# KiCad board Four segments and colon.kicad_pcb
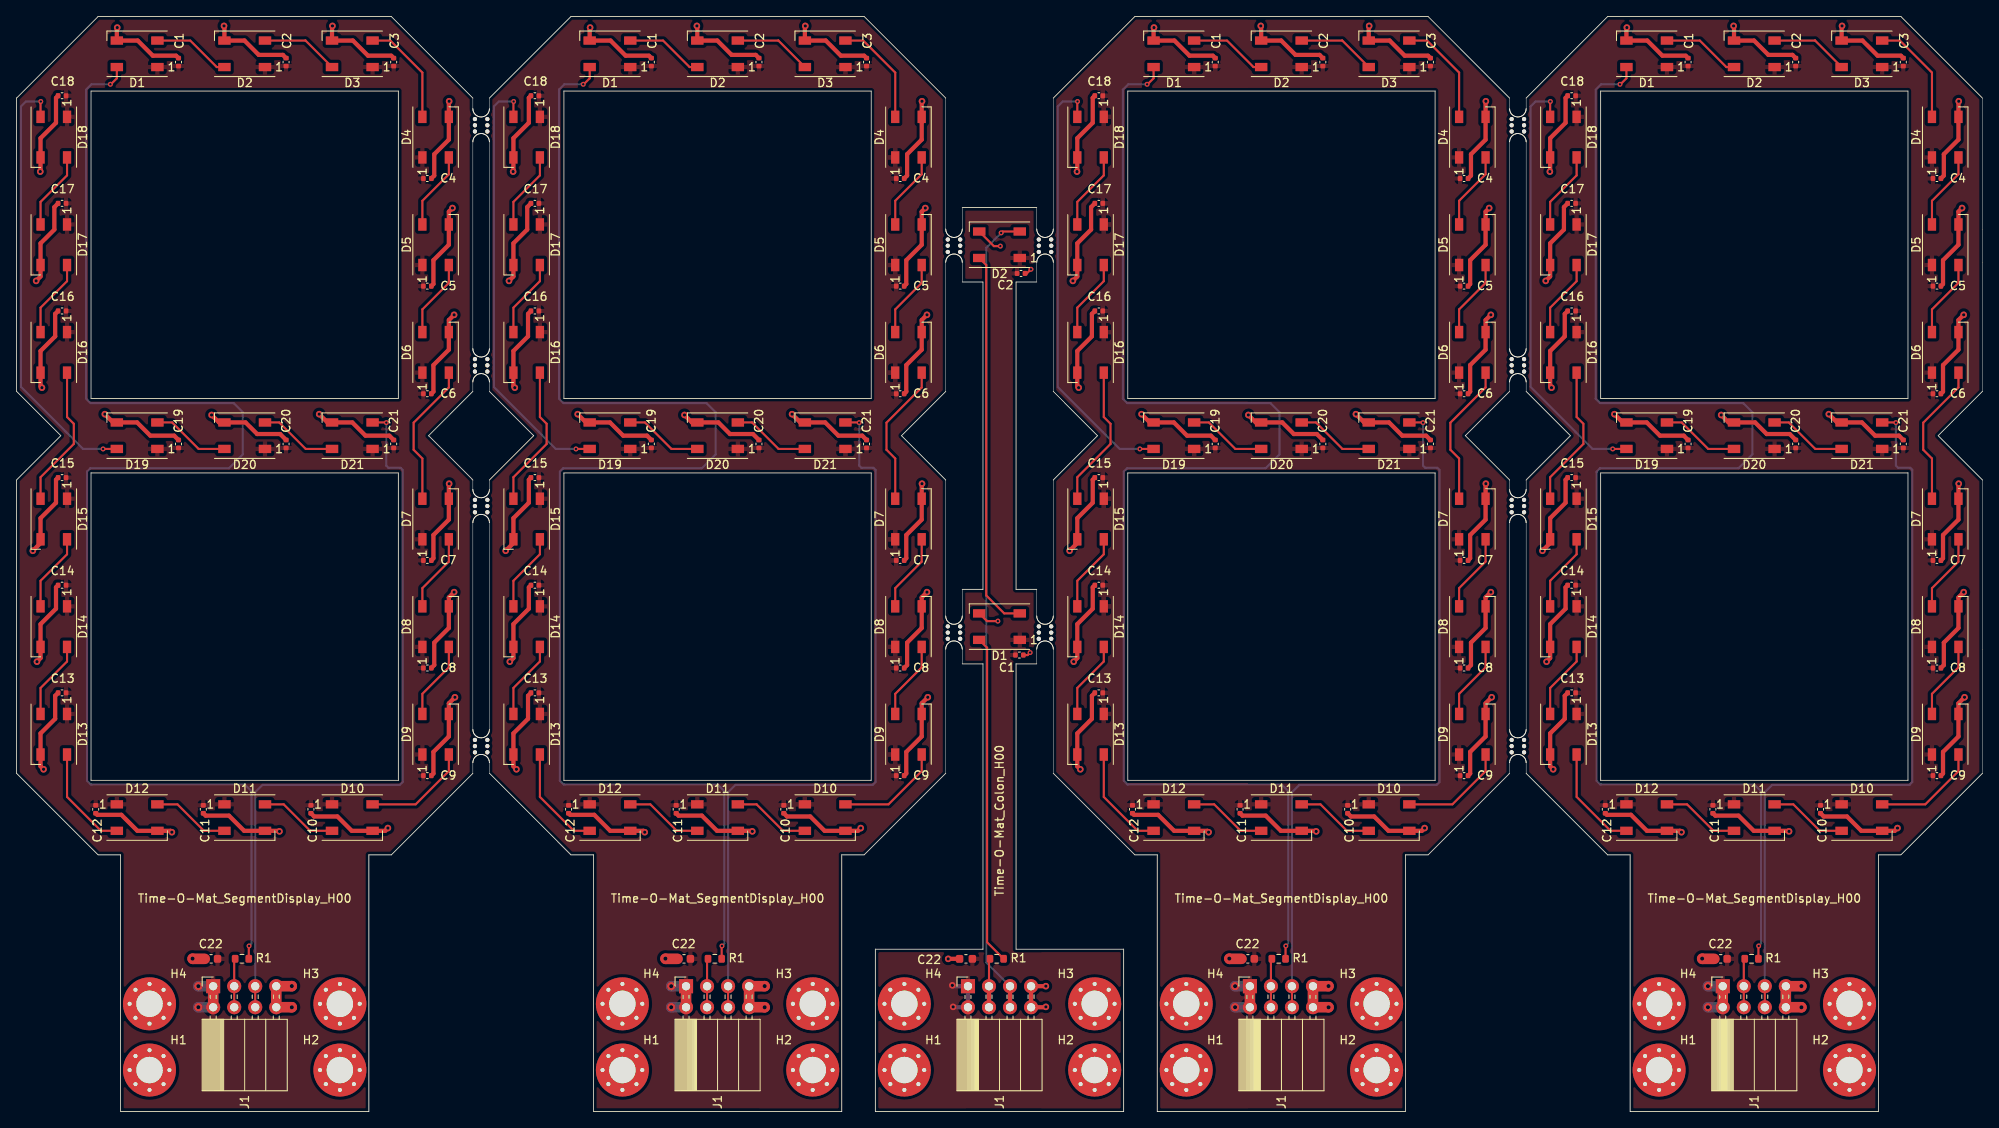
[diagram p0: board, top side]
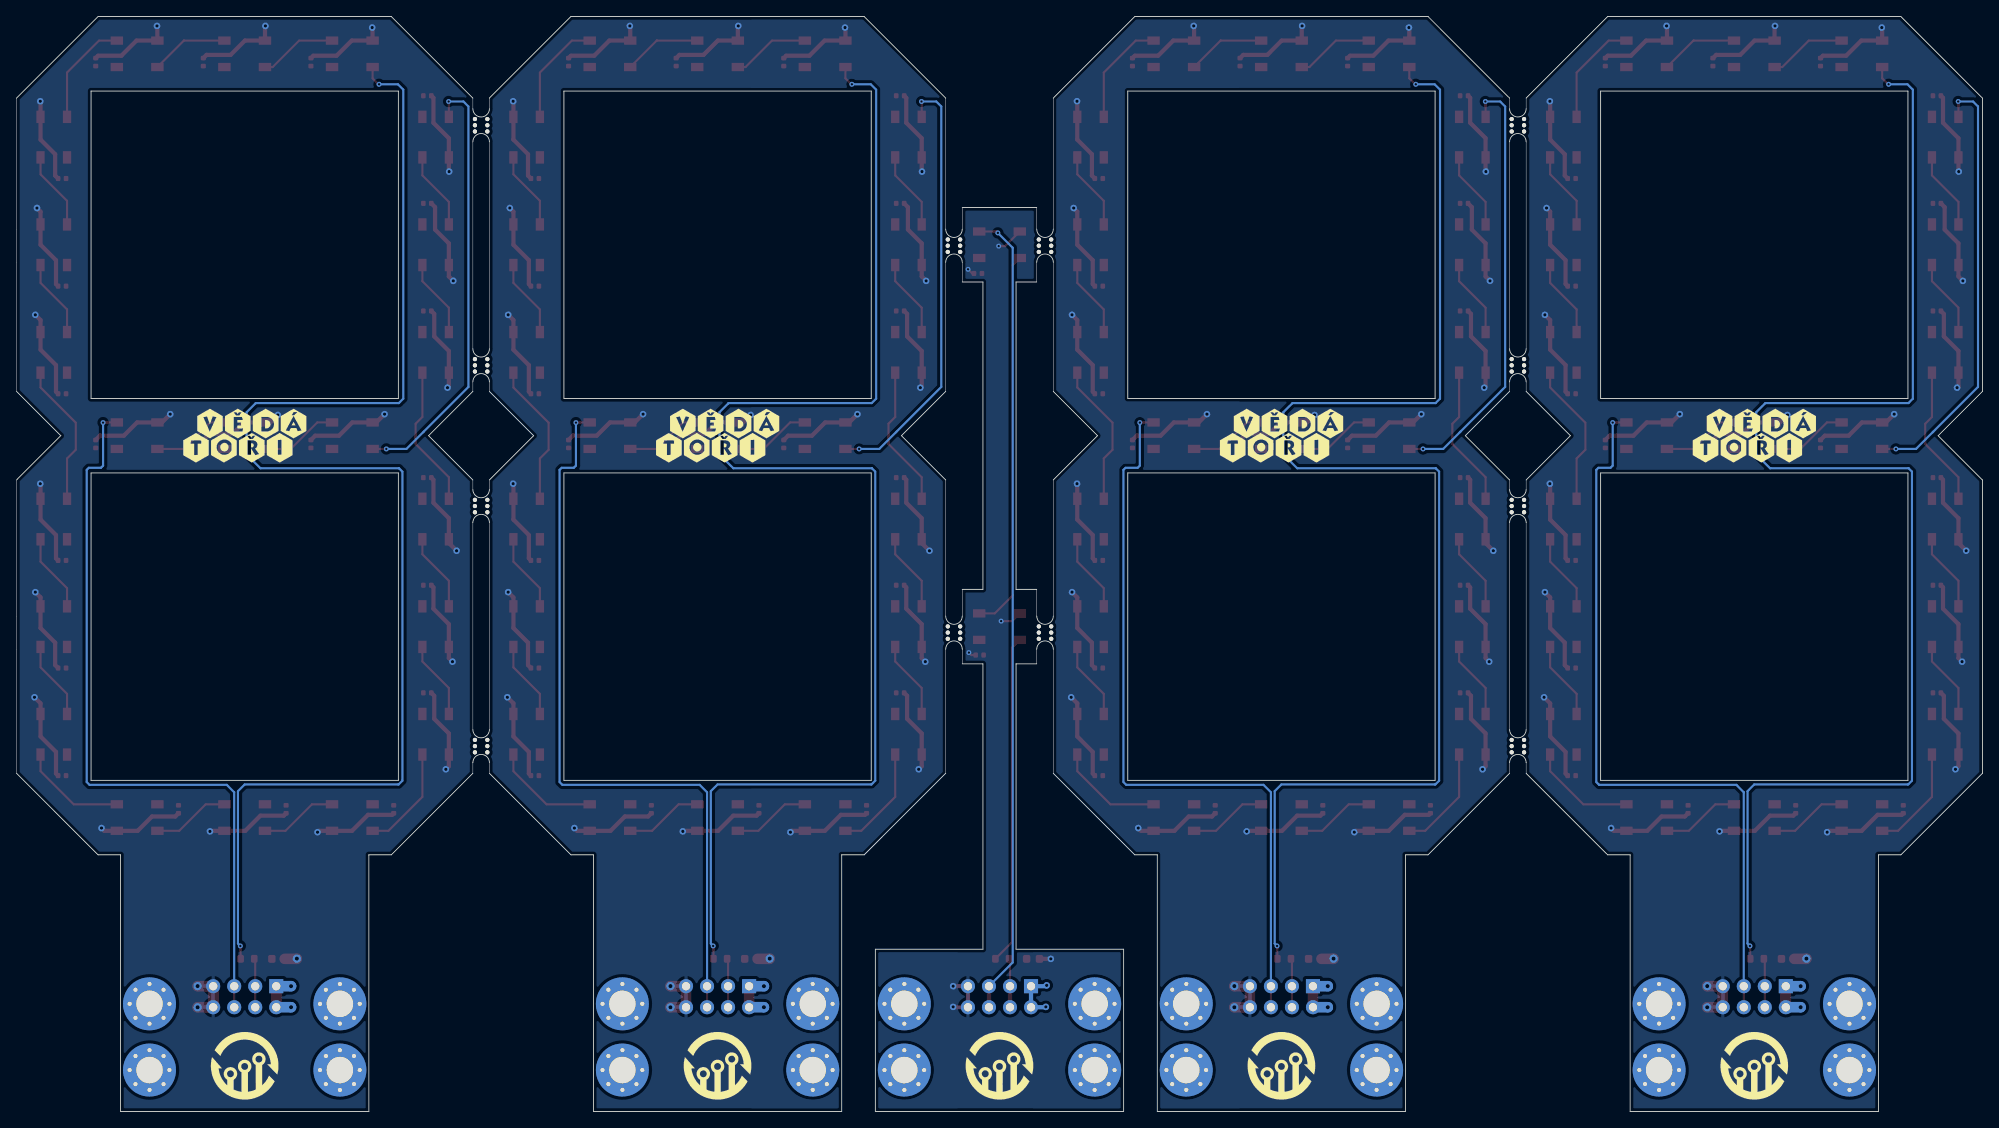
[diagram p1: board, bottom side, seen from below]

Outline 237.52 x 132.26 mm; copper layers: Top, Bottom. Coordinates in mm from the lower left corner of the outline.
Outline path: 55.13,121.13 55.13,122.41 45.28,132.26 9.85,132.26 0,122.41 0,86.98 5.35,81.63 0,76.28 0,40.85 9.85,31 12.57,31 12.57,0 42.57,0 42.57,31 45.28,31 55.13,40.85 55.13,42.13 ; 55.13,75.13 55.13,76.28 49.78,81.63 55.13,86.98 55.13,88.13 ; 55.13,92.13 55.13,117.13 ; 55.13,71.13 55.13,46.13 ; 57.13,121.13 57.13,122.41 66.98,132.26 102.41,132.26 112.26,122.41 112.26,106.58 ; 57.13,117.13 57.13,92.13 ; 57.13,46.13 57.13,71.13 ; 57.13,88.13 57.13,86.98 62.48,81.63 57.13,76.28 57.13,75.13 ; 57.13,42.13 57.13,40.85 66.98,31 69.7,31 69.7,0 99.7,0 99.7,31 102.41,31 112.26,40.85 112.26,55.84 ; 112.26,59.84 112.26,76.28 106.91,81.63 112.26,86.98 112.26,102.58 ; 114.26,55.84 114.26,54.07 116.76,54.07 116.76,19.6 103.76,19.6 103.76,0 133.76,0 133.76,19.6 120.76,19.6 120.76,54.07 123.26,54.07 123.26,55.84 ; 114.26,106.58 114.26,109.2 123.26,109.2 123.26,106.58 ; 114.26,102.58 114.26,100.2 116.76,100.2 116.76,63.07 114.26,63.07 114.26,59.84 ; 123.26,102.58 123.26,100.2 120.76,100.2 120.76,63.07 123.26,63.07 123.26,59.84 ; 125.26,106.58 125.26,122.41 135.11,132.26 170.54,132.26 180.39,122.41 180.39,121.13 ; 125.26,102.58 125.26,86.98 130.61,81.63 125.26,76.28 125.26,59.84 ; 125.26,55.84 125.26,40.85 135.11,31 137.83,31 137.83,0 167.83,0 167.83,31 170.54,31 180.39,40.85 180.39,42.13 ; 180.39,75.13 180.39,76.28 175.04,81.63 180.39,86.98 180.39,88.13 ; 180.39,92.13 180.39,117.13 ; 180.39,71.13 180.39,46.13 ; 182.39,121.13 182.39,122.41 192.24,132.26 227.67,132.26 237.52,122.41 237.52,106.58 237.52,102.58 237.52,86.98 232.17,81.63 237.52,76.28 237.52,59.84 237.52,55.84 237.52,40.85 227.67,31 224.96,31 224.96,0 194.96,0 194.96,31 192.24,31 182.39,40.85 182.39,42.13 ; 182.39,117.13 182.39,92.13 ; 182.39,46.13 182.39,71.13 ; 182.39,88.13 182.39,86.98 187.74,81.63 182.39,76.28 182.39,75.13 ; 9,86.13 9,123.26 46.13,123.26 46.13,86.13 9,86.13 ; 9,77.13 9,40 46.13,40 46.13,77.13 9,77.13 ; 66.13,86.13 66.13,123.26 103.26,123.26 103.26,86.13 66.13,86.13 ; 66.13,77.13 66.13,40 103.26,40 103.26,77.13 66.13,77.13 ; 134.26,86.13 134.26,123.26 171.39,123.26 171.39,86.13 134.26,86.13 ; 134.26,77.13 134.26,40 171.39,40 171.39,77.13 134.26,77.13 ; 191.39,86.13 191.39,123.26 228.52,123.26 228.52,86.13 191.39,86.13 ; 191.39,77.13 191.39,40 228.52,40 228.52,77.13 191.39,77.13
Stack: Top 0.035mm / dielectric 1.51mm FR4 er 4.5 / Bottom 0.035mm

## Placement (name value [footprint] x y rotation side)
C1  100nF  [C_0402_1005Metric]  201.96 126.76 90 top
C1#2  100nF  [C_0402_1005Metric]  121.16 55.13 0 top
C1#3  100nF  [C_0402_1005Metric]  76.7 126.76 90 top
C1#4  100nF  [C_0402_1005Metric]  19.57 126.76 90 top
C1#5  100nF  [C_0402_1005Metric]  144.83 126.76 90 top
C2  100nF  [C_0402_1005Metric]  32.57 126.76 90 top
C2#2  100nF  [C_0402_1005Metric]  214.96 126.76 90 top
C2#3  100nF  [C_0402_1005Metric]  157.83 126.76 90 top
C2#4  100nF  [C_0402_1005Metric]  121.36 101.23 0 top
C2#5  100nF  [C_0402_1005Metric]  89.7 126.76 90 top
C3  100nF  [C_0402_1005Metric]  102.7 126.76 90 top
C3#2  100nF  [C_0402_1005Metric]  170.83 126.76 90 top
C3#3  100nF  [C_0402_1005Metric]  227.96 126.76 90 top
C3#4  100nF  [C_0402_1005Metric]  45.57 126.76 90 top
C4  100nF  [C_0402_1005Metric]  232.02 112.7 0 top
C4#2  100nF  [C_0402_1005Metric]  49.63 112.7 0 top
C4#3  100nF  [C_0402_1005Metric]  174.89 112.7 0 top
C4#4  100nF  [C_0402_1005Metric]  106.76 112.7 0 top
C5  100nF  [C_0402_1005Metric]  232.02 99.7 0 top
C5#2  100nF  [C_0402_1005Metric]  174.89 99.7 0 top
C5#3  100nF  [C_0402_1005Metric]  106.76 99.7 0 top
C5#4  100nF  [C_0402_1005Metric]  49.63 99.7 0 top
C6  100nF  [C_0402_1005Metric]  106.76 86.7 0 top
C6#2  100nF  [C_0402_1005Metric]  49.63 86.7 0 top
C6#3  100nF  [C_0402_1005Metric]  174.89 86.7 0 top
C6#4  100nF  [C_0402_1005Metric]  232.02 86.7 0 top
C7  100nF  [C_0402_1005Metric]  106.76 66.57 0 top
C7#2  100nF  [C_0402_1005Metric]  174.89 66.57 0 top
C7#3  100nF  [C_0402_1005Metric]  49.63 66.57 0 top
C7#4  100nF  [C_0402_1005Metric]  232.02 66.57 0 top
C8  100nF  [C_0402_1005Metric]  49.63 53.57 0 top
C8#2  100nF  [C_0402_1005Metric]  174.89 53.57 0 top
C8#3  100nF  [C_0402_1005Metric]  232.02 53.57 0 top
C8#4  100nF  [C_0402_1005Metric]  106.76 53.57 0 top
C9  100nF  [C_0402_1005Metric]  232.02 40.57 0 top
C9#2  100nF  [C_0402_1005Metric]  106.76 40.57 0 top
C9#3  100nF  [C_0402_1005Metric]  49.63 40.57 0 top
C9#4  100nF  [C_0402_1005Metric]  174.89 40.57 0 top
C10  100nF  [C_0402_1005Metric]  35.57 36.5 270 top
C10#2  100nF  [C_0402_1005Metric]  160.83 36.5 270 top
C10#3  100nF  [C_0402_1005Metric]  217.96 36.5 270 top
C10#4  100nF  [C_0402_1005Metric]  92.7 36.5 270 top
C11  100nF  [C_0402_1005Metric]  22.57 36.5 270 top
C11#2  100nF  [C_0402_1005Metric]  147.83 36.5 270 top
C11#3  100nF  [C_0402_1005Metric]  204.96 36.5 270 top
C11#4  100nF  [C_0402_1005Metric]  79.7 36.5 270 top
C12  100nF  [C_0402_1005Metric]  66.7 36.5 270 top
C12#2  100nF  [C_0402_1005Metric]  134.83 36.5 270 top
C12#3  100nF  [C_0402_1005Metric]  191.96 36.5 270 top
C12#4  100nF  [C_0402_1005Metric]  9.57 36.5 270 top
C13  100nF  [C_0402_1005Metric]  5.5 50.57 180 top
C13#2  100nF  [C_0402_1005Metric]  62.63 50.57 180 top
C13#3  100nF  [C_0402_1005Metric]  130.76 50.57 180 top
C13#4  100nF  [C_0402_1005Metric]  187.89 50.57 180 top
C14  100nF  [C_0402_1005Metric]  187.89 63.57 180 top
C14#2  100nF  [C_0402_1005Metric]  62.63 63.57 180 top
C14#3  100nF  [C_0402_1005Metric]  130.76 63.57 180 top
C14#4  100nF  [C_0402_1005Metric]  5.5 63.57 180 top
C15  100nF  [C_0402_1005Metric]  62.63 76.57 180 top
C15#2  100nF  [C_0402_1005Metric]  5.5 76.57 180 top
C15#3  100nF  [C_0402_1005Metric]  187.89 76.57 180 top
C15#4  100nF  [C_0402_1005Metric]  130.76 76.57 180 top
C16  100nF  [C_0402_1005Metric]  130.76 96.7 180 top
C16#2  100nF  [C_0402_1005Metric]  5.5 96.7 180 top
C16#3  100nF  [C_0402_1005Metric]  187.89 96.7 180 top
C16#4  100nF  [C_0402_1005Metric]  62.63 96.7 180 top
C17  100nF  [C_0402_1005Metric]  130.76 109.7 180 top
C17#2  100nF  [C_0402_1005Metric]  62.63 109.7 180 top
C17#3  100nF  [C_0402_1005Metric]  5.5 109.7 180 top
C17#4  100nF  [C_0402_1005Metric]  187.89 109.7 180 top
C18  100nF  [C_0402_1005Metric]  130.76 122.7 180 top
C18#2  100nF  [C_0402_1005Metric]  5.5 122.7 180 top
C18#3  100nF  [C_0402_1005Metric]  187.89 122.7 180 top
C18#4  100nF  [C_0402_1005Metric]  62.63 122.7 180 top
C19  100nF  [C_0402_1005Metric]  144.83 80.63 90 top
C19#2  100nF  [C_0402_1005Metric]  19.57 80.63 90 top
C19#3  100nF  [C_0402_1005Metric]  201.96 80.63 90 top
C19#4  100nF  [C_0402_1005Metric]  76.7 80.63 90 top
C20  100nF  [C_0402_1005Metric]  89.7 80.63 90 top
C20#2  100nF  [C_0402_1005Metric]  214.96 80.63 90 top
C20#3  100nF  [C_0402_1005Metric]  157.83 80.63 90 top
C20#4  100nF  [C_0402_1005Metric]  32.57 80.63 90 top
C21  100nF  [C_0402_1005Metric]  102.7 80.63 90 top
C21#2  100nF  [C_0402_1005Metric]  45.57 80.63 90 top
C21#3  100nF  [C_0402_1005Metric]  227.96 80.63 90 top
C21#4  100nF  [C_0402_1005Metric]  170.83 80.63 90 top
C22  10uF  [C_0603_1608Metric]  114.71 18.43 180 top
C22#2  10uF  [C_0603_1608Metric]  205.9 18.43 180 top
C22#3  10uF  [C_0603_1608Metric]  148.77 18.43 180 top
C22#4  10uF  [C_0603_1608Metric]  23.51 18.43 180 top
C22#5  10uF  [C_0603_1608Metric]  80.64 18.43 180 top
D1  WS2812E  [LED_WS2812B_PLCC4_5.0x5.0mm_P3.2mm]  118.76 58.57 180 top
D1#2  WS2812E  [LED_WS2812B_PLCC4_5.0x5.0mm_P3.2mm]  139.83 127.76 180 top
D1#3  WS2812E  [LED_WS2812B_PLCC4_5.0x5.0mm_P3.2mm]  14.57 127.76 180 top
D1#4  WS2812E  [LED_WS2812B_PLCC4_5.0x5.0mm_P3.2mm]  71.7 127.76 180 top
D1#5  WS2812E  [LED_WS2812B_PLCC4_5.0x5.0mm_P3.2mm]  196.96 127.76 180 top
D2  WS2812E  [LED_WS2812B_PLCC4_5.0x5.0mm_P3.2mm]  27.57 127.76 180 top
D2#2  WS2812E  [LED_WS2812B_PLCC4_5.0x5.0mm_P3.2mm]  152.83 127.76 180 top
D2#3  WS2812E  [LED_WS2812B_PLCC4_5.0x5.0mm_P3.2mm]  209.96 127.76 180 top
D2#4  WS2812E  [LED_WS2812B_PLCC4_5.0x5.0mm_P3.2mm]  84.7 127.76 180 top
D2#5  WS2812E  [LED_WS2812B_PLCC4_5.0x5.0mm_P3.2mm]  118.76 104.7 180 top
D3  WS2812E  [LED_WS2812B_PLCC4_5.0x5.0mm_P3.2mm]  97.7 127.76 180 top
D3#2  WS2812E  [LED_WS2812B_PLCC4_5.0x5.0mm_P3.2mm]  165.83 127.76 180 top
D3#3  WS2812E  [LED_WS2812B_PLCC4_5.0x5.0mm_P3.2mm]  222.96 127.76 180 top
D3#4  WS2812E  [LED_WS2812B_PLCC4_5.0x5.0mm_P3.2mm]  40.57 127.76 180 top
D4  WS2812E  [LED_WS2812B_PLCC4_5.0x5.0mm_P3.2mm]  50.63 117.7 90 top
D4#2  WS2812E  [LED_WS2812B_PLCC4_5.0x5.0mm_P3.2mm]  233.02 117.7 90 top
D4#3  WS2812E  [LED_WS2812B_PLCC4_5.0x5.0mm_P3.2mm]  175.89 117.7 90 top
D4#4  WS2812E  [LED_WS2812B_PLCC4_5.0x5.0mm_P3.2mm]  107.76 117.7 90 top
D5  WS2812E  [LED_WS2812B_PLCC4_5.0x5.0mm_P3.2mm]  233.02 104.7 90 top
D5#2  WS2812E  [LED_WS2812B_PLCC4_5.0x5.0mm_P3.2mm]  107.76 104.7 90 top
D5#3  WS2812E  [LED_WS2812B_PLCC4_5.0x5.0mm_P3.2mm]  175.89 104.7 90 top
D5#4  WS2812E  [LED_WS2812B_PLCC4_5.0x5.0mm_P3.2mm]  50.63 104.7 90 top
D6  WS2812E  [LED_WS2812B_PLCC4_5.0x5.0mm_P3.2mm]  50.63 91.7 90 top
D6#2  WS2812E  [LED_WS2812B_PLCC4_5.0x5.0mm_P3.2mm]  107.76 91.7 90 top
D6#3  WS2812E  [LED_WS2812B_PLCC4_5.0x5.0mm_P3.2mm]  175.89 91.7 90 top
D6#4  WS2812E  [LED_WS2812B_PLCC4_5.0x5.0mm_P3.2mm]  233.02 91.7 90 top
D7  WS2812E  [LED_WS2812B_PLCC4_5.0x5.0mm_P3.2mm]  175.89 71.57 90 top
D7#2  WS2812E  [LED_WS2812B_PLCC4_5.0x5.0mm_P3.2mm]  50.63 71.57 90 top
D7#3  WS2812E  [LED_WS2812B_PLCC4_5.0x5.0mm_P3.2mm]  233.02 71.57 90 top
D7#4  WS2812E  [LED_WS2812B_PLCC4_5.0x5.0mm_P3.2mm]  107.76 71.57 90 top
D8  WS2812E  [LED_WS2812B_PLCC4_5.0x5.0mm_P3.2mm]  107.76 58.57 90 top
D8#2  WS2812E  [LED_WS2812B_PLCC4_5.0x5.0mm_P3.2mm]  233.02 58.57 90 top
D8#3  WS2812E  [LED_WS2812B_PLCC4_5.0x5.0mm_P3.2mm]  50.63 58.57 90 top
D8#4  WS2812E  [LED_WS2812B_PLCC4_5.0x5.0mm_P3.2mm]  175.89 58.57 90 top
D9  WS2812E  [LED_WS2812B_PLCC4_5.0x5.0mm_P3.2mm]  233.02 45.57 90 top
D9#2  WS2812E  [LED_WS2812B_PLCC4_5.0x5.0mm_P3.2mm]  50.63 45.57 90 top
D9#3  WS2812E  [LED_WS2812B_PLCC4_5.0x5.0mm_P3.2mm]  175.89 45.57 90 top
D9#4  WS2812E  [LED_WS2812B_PLCC4_5.0x5.0mm_P3.2mm]  107.76 45.57 90 top
D10  WS2812E  [LED_WS2812B_PLCC4_5.0x5.0mm_P3.2mm]  40.57 35.5 0 top
D10#2  WS2812E  [LED_WS2812B_PLCC4_5.0x5.0mm_P3.2mm]  165.83 35.5 0 top
D10#3  WS2812E  [LED_WS2812B_PLCC4_5.0x5.0mm_P3.2mm]  97.7 35.5 0 top
D10#4  WS2812E  [LED_WS2812B_PLCC4_5.0x5.0mm_P3.2mm]  222.96 35.5 0 top
D11  WS2812E  [LED_WS2812B_PLCC4_5.0x5.0mm_P3.2mm]  209.96 35.5 0 top
D11#2  WS2812E  [LED_WS2812B_PLCC4_5.0x5.0mm_P3.2mm]  84.7 35.5 0 top
D11#3  WS2812E  [LED_WS2812B_PLCC4_5.0x5.0mm_P3.2mm]  27.57 35.5 0 top
D11#4  WS2812E  [LED_WS2812B_PLCC4_5.0x5.0mm_P3.2mm]  152.83 35.5 0 top
D12  WS2812E  [LED_WS2812B_PLCC4_5.0x5.0mm_P3.2mm]  139.83 35.5 0 top
D12#2  WS2812E  [LED_WS2812B_PLCC4_5.0x5.0mm_P3.2mm]  71.7 35.5 0 top
D12#3  WS2812E  [LED_WS2812B_PLCC4_5.0x5.0mm_P3.2mm]  196.96 35.5 0 top
D12#4  WS2812E  [LED_WS2812B_PLCC4_5.0x5.0mm_P3.2mm]  14.57 35.5 0 top
D13  WS2812E  [LED_WS2812B_PLCC4_5.0x5.0mm_P3.2mm]  61.63 45.57 270 top
D13#2  WS2812E  [LED_WS2812B_PLCC4_5.0x5.0mm_P3.2mm]  4.5 45.57 270 top
D13#3  WS2812E  [LED_WS2812B_PLCC4_5.0x5.0mm_P3.2mm]  186.89 45.57 270 top
D13#4  WS2812E  [LED_WS2812B_PLCC4_5.0x5.0mm_P3.2mm]  129.76 45.57 270 top
D14  WS2812E  [LED_WS2812B_PLCC4_5.0x5.0mm_P3.2mm]  186.89 58.57 270 top
D14#2  WS2812E  [LED_WS2812B_PLCC4_5.0x5.0mm_P3.2mm]  129.76 58.57 270 top
D14#3  WS2812E  [LED_WS2812B_PLCC4_5.0x5.0mm_P3.2mm]  4.5 58.57 270 top
D14#4  WS2812E  [LED_WS2812B_PLCC4_5.0x5.0mm_P3.2mm]  61.63 58.57 270 top
D15  WS2812E  [LED_WS2812B_PLCC4_5.0x5.0mm_P3.2mm]  61.63 71.57 270 top
D15#2  WS2812E  [LED_WS2812B_PLCC4_5.0x5.0mm_P3.2mm]  4.5 71.57 270 top
D15#3  WS2812E  [LED_WS2812B_PLCC4_5.0x5.0mm_P3.2mm]  129.76 71.57 270 top
D15#4  WS2812E  [LED_WS2812B_PLCC4_5.0x5.0mm_P3.2mm]  186.89 71.57 270 top
D16  WS2812E  [LED_WS2812B_PLCC4_5.0x5.0mm_P3.2mm]  61.63 91.7 270 top
D16#2  WS2812E  [LED_WS2812B_PLCC4_5.0x5.0mm_P3.2mm]  129.76 91.7 270 top
D16#3  WS2812E  [LED_WS2812B_PLCC4_5.0x5.0mm_P3.2mm]  4.5 91.7 270 top
D16#4  WS2812E  [LED_WS2812B_PLCC4_5.0x5.0mm_P3.2mm]  186.89 91.7 270 top
D17  WS2812E  [LED_WS2812B_PLCC4_5.0x5.0mm_P3.2mm]  4.5 104.7 270 top
D17#2  WS2812E  [LED_WS2812B_PLCC4_5.0x5.0mm_P3.2mm]  129.76 104.7 270 top
D17#3  WS2812E  [LED_WS2812B_PLCC4_5.0x5.0mm_P3.2mm]  186.89 104.7 270 top
D17#4  WS2812E  [LED_WS2812B_PLCC4_5.0x5.0mm_P3.2mm]  61.63 104.7 270 top
D18  WS2812E  [LED_WS2812B_PLCC4_5.0x5.0mm_P3.2mm]  61.63 117.7 270 top
D18#2  WS2812E  [LED_WS2812B_PLCC4_5.0x5.0mm_P3.2mm]  186.89 117.7 270 top
D18#3  WS2812E  [LED_WS2812B_PLCC4_5.0x5.0mm_P3.2mm]  129.76 117.7 270 top
D18#4  WS2812E  [LED_WS2812B_PLCC4_5.0x5.0mm_P3.2mm]  4.5 117.7 270 top
D19  WS2812E  [LED_WS2812B_PLCC4_5.0x5.0mm_P3.2mm]  14.57 81.63 180 top
D19#2  WS2812E  [LED_WS2812B_PLCC4_5.0x5.0mm_P3.2mm]  139.83 81.63 180 top
D19#3  WS2812E  [LED_WS2812B_PLCC4_5.0x5.0mm_P3.2mm]  71.7 81.63 180 top
D19#4  WS2812E  [LED_WS2812B_PLCC4_5.0x5.0mm_P3.2mm]  196.96 81.63 180 top
D20  WS2812E  [LED_WS2812B_PLCC4_5.0x5.0mm_P3.2mm]  209.96 81.63 180 top
D20#2  WS2812E  [LED_WS2812B_PLCC4_5.0x5.0mm_P3.2mm]  152.83 81.63 180 top
D20#3  WS2812E  [LED_WS2812B_PLCC4_5.0x5.0mm_P3.2mm]  84.7 81.63 180 top
D20#4  WS2812E  [LED_WS2812B_PLCC4_5.0x5.0mm_P3.2mm]  27.57 81.63 180 top
D21  WS2812E  [LED_WS2812B_PLCC4_5.0x5.0mm_P3.2mm]  165.83 81.63 180 top
D21#2  WS2812E  [LED_WS2812B_PLCC4_5.0x5.0mm_P3.2mm]  40.57 81.63 180 top
D21#3  WS2812E  [LED_WS2812B_PLCC4_5.0x5.0mm_P3.2mm]  97.7 81.63 180 top
D21#4  WS2812E  [LED_WS2812B_PLCC4_5.0x5.0mm_P3.2mm]  222.96 81.63 180 top
G1  Vedatori_logo  [Vedatori_15mm]  152.83 81.63 180 bottom
G1#2  Vedatori_logo  [Vedatori_15mm]  27.57 81.63 180 bottom
G1#3  Vedatori_logo  [Vedatori_15mm]  84.7 81.63 180 bottom
G1#4  Vedatori_logo  [Vedatori_15mm]  209.96 81.63 180 bottom
G2  CoufalElektronika_logo  [Coufal_elektronika_notext_10mm]  152.83 5.43 180 bottom
G2#2  CoufalElektronika_logo  [Coufal_elektronika_notext_10mm]  27.57 5.43 180 bottom
G2#3  CoufalElektronika_logo  [Coufal_elektronika_notext_10mm]  118.76 5.43 180 bottom
G2#4  CoufalElektronika_logo  [Coufal_elektronika_notext_10mm]  209.96 5.43 180 bottom
G2#5  CoufalElektronika_logo  [Coufal_elektronika_notext_10mm]  84.7 5.43 180 bottom
H1  MountingHole  [MountingHole_3.2mm_M3_Pad_Via]  16.07 5 0 top
H1#2  MountingHole  [MountingHole_3.2mm_M3_Pad_Via]  198.46 5 0 top
H1#3  MountingHole  [MountingHole_3.2mm_M3_Pad_Via]  107.26 5 0 top
H1#4  MountingHole  [MountingHole_3.2mm_M3_Pad_Via]  73.2 5 0 top
H1#5  MountingHole  [MountingHole_3.2mm_M3_Pad_Via]  141.33 5 0 top
H2  MountingHole  [MountingHole_3.2mm_M3_Pad_Via]  221.46 5 0 top
H2#2  MountingHole  [MountingHole_3.2mm_M3_Pad_Via]  164.33 5 0 top
H2#3  MountingHole  [MountingHole_3.2mm_M3_Pad_Via]  130.26 5 0 top
H2#4  MountingHole  [MountingHole_3.2mm_M3_Pad_Via]  96.2 5 0 top
H2#5  MountingHole  [MountingHole_3.2mm_M3_Pad_Via]  39.07 5 0 top
H3  MountingHole  [MountingHole_3.2mm_M3_Pad_Via]  221.46 13 0 top
H3#2  MountingHole  [MountingHole_3.2mm_M3_Pad_Via]  96.2 13 0 top
H3#3  MountingHole  [MountingHole_3.2mm_M3_Pad_Via]  164.33 13 0 top
H3#4  MountingHole  [MountingHole_3.2mm_M3_Pad_Via]  39.07 13 0 top
H3#5  MountingHole  [MountingHole_3.2mm_M3_Pad_Via]  130.26 13 0 top
H4  MountingHole  [MountingHole_3.2mm_M3_Pad_Via]  198.46 13 0 top
H4#2  MountingHole  [MountingHole_3.2mm_M3_Pad_Via]  73.2 13 0 top
H4#3  MountingHole  [MountingHole_3.2mm_M3_Pad_Via]  16.07 13 0 top
H4#4  MountingHole  [MountingHole_3.2mm_M3_Pad_Via]  141.33 13 0 top
H4#5  MountingHole  [MountingHole_3.2mm_M3_Pad_Via]  107.26 13 0 top
J1  Conn_02x04_Odd_Even  [PinSocket_2x04_P2.54mm_Horizontal]  23.76 15.13 90 top
J1#2  Conn_02x04_Odd_Even  [PinSocket_2x04_P2.54mm_Horizontal]  80.89 15.13 90 top
J1#3  Conn_02x04_Odd_Even  [PinSocket_2x04_P2.54mm_Horizontal]  149.02 15.13 90 top